# Altium PCB BitFury.PcbDoc (part 3 of 4) (continued)
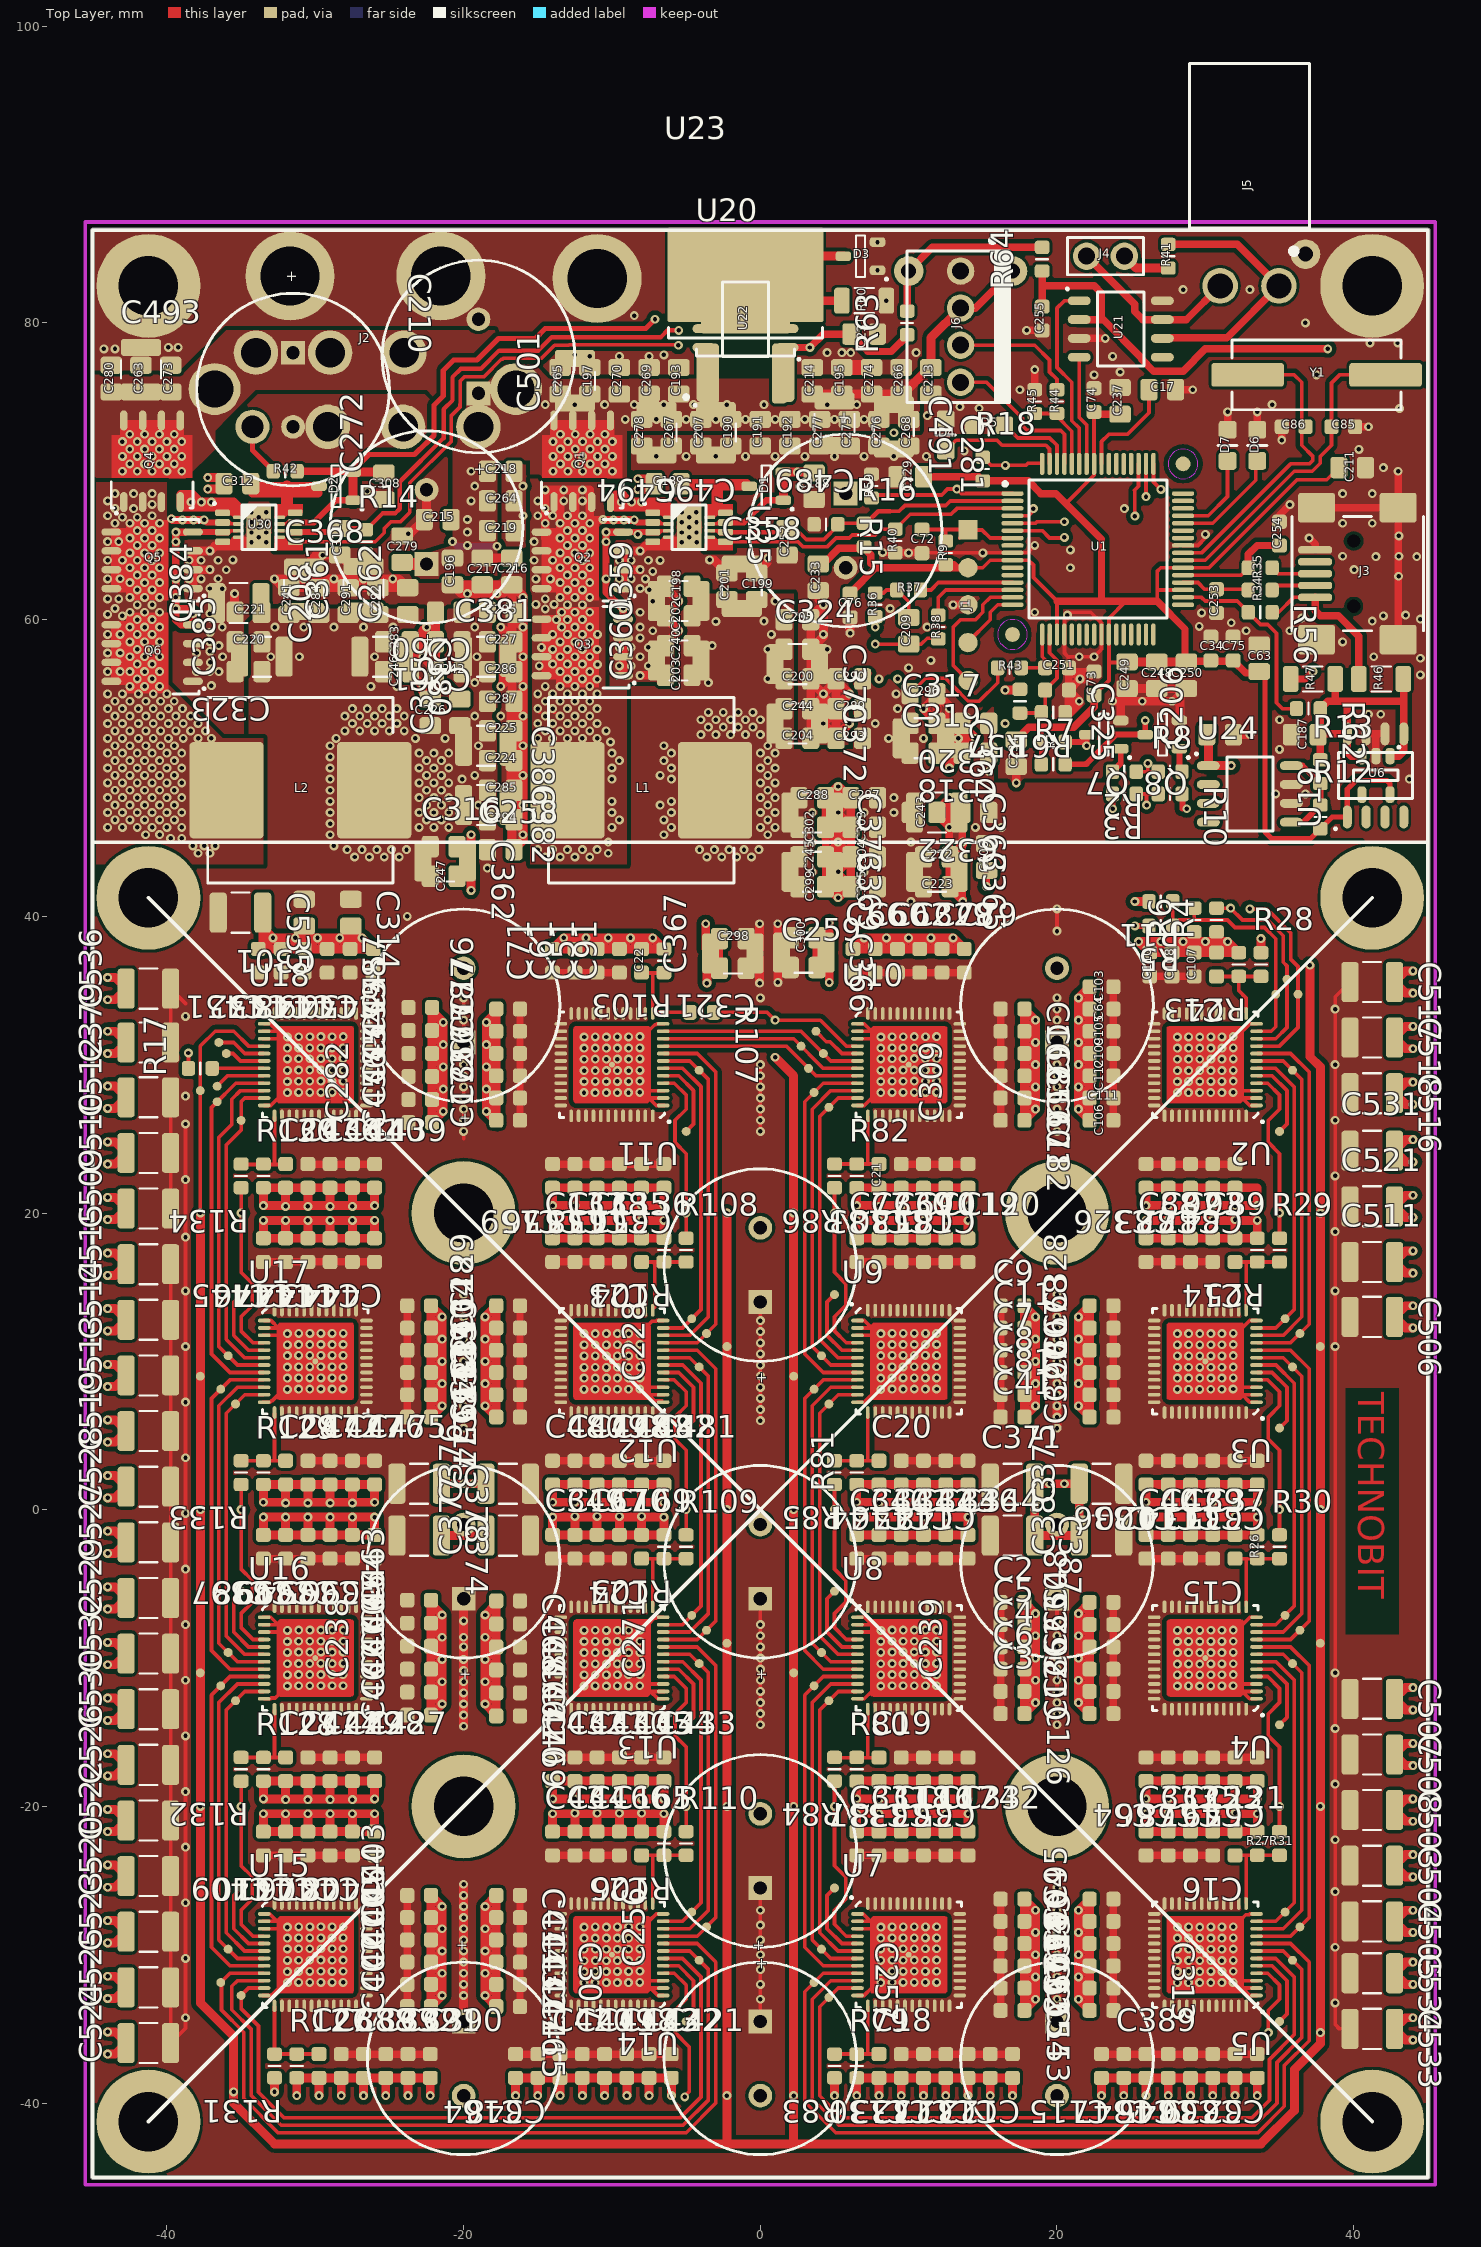
[diagram p0: Top Layer view]
## Nets (pads, with @x,y where several pads share a name; then routed paths per layer and width w, separated by ;. In a path a pad name is that pad's centre, name@x,y a point inside that pad or via, vN(x,y) a via of type N, cw(c..) or ccw(c..) an arc to the next point about the centre after c; other vN are vias at no path point) (continued)
v1(-8,-19.5) ; v1(-9.5,-19.5) C435.1@-9.5,-18.3 ; C435.1@-9.5,-18.3 C434.1@-8,-18.3 ; C169.2@-9.5,-1.7 C24.1@-8,-1.7 ; C169.2@-9.5,-1.7 v1@-9.5,-0.5 ; v1@-9.5,-0.5 v1@-8,-0.5 ; v1(-9.5,0.5) v1(-8,0.5) ; v1(-9.5,0.5) C483.1@-9.5,1.7 ; C483.1@-9.5,1.7 C482.1@-8,1.7 ; C136.2@-9.5,18.3 C23.1@-8,18.3 ; C136.2@-9.5,18.3 v1@-9.5,19.5 ; v1@-9.5,19.5 v1@-8,19.5 ; v1(-9.5,20.5) v1(-8,20.5) ; v1(-9.5,20.5) C158.2@-9.5,21.7 ; C158.2@-9.5,21.7 C163.2@-8,21.7 ; C91.2@-9.5,37.8 C22.1@-8,37.8 ; C91.2@-9.5,37.8 v1(-8.75,38.55) ; C423.1@-9,-38.3 C422.1@-7.5,-38.3 ; v1(-8.75,38.55) C22.1@-8,37.8 ; v1(-8.75,38.55) v1(-7.25,38.55) ; C25.1@-8,-21.7 R106.1@-6.5,-21.7 v1(-6.5,-20.5) v1@-8,-20.5 ; C25.1@-8,-21.7 v1@-8,-20.5 ; v1(-8,-19.5) v1(-6.5,-19.5) C433.1@-6.5,-18.3 C434.1@-8,-18.3 ; v1(-8,-19.5) C434.1@-8,-18.3 ; C24.1@-8,-1.7 R105.1@-6.5,-1.7 v1(-6.5,-0.5) v1@-8,-0.5 ; C24.1@-8,-1.7 v1@-8,-0.5 ; v1(-8,0.5) v1(-6.5,0.5) C481.1@-6.5,1.7 C482.1@-8,1.7 ; v1(-8,0.5) C482.1@-8,1.7 ; C23.1@-8,18.3 R104.1@-6.5,18.3 v1(-6.5,19.5) v1@-8,19.5 ; C23.1@-8,18.3 v1@-8,19.5 ; v1(-8,20.5) v1(-6.5,20.5) C351.2@-6.5,21.7 C163.2@-8,21.7 ; v1(-8,20.5) C163.2@-8,21.7 ; C22.1@-8,37.8 R103.1@-6.5,37.8 v1(-7.25,38.55) ; C22.1@-8,37.8 v1(-7.25,38.55) ; C204.2@3.4,52 C372.2@4.25,52 ; C204.2@3.4,52 C372.2@4.25,52.85 ; C204.2@3.4,52 C244.2@3.4,53.85 ; C244.2@3.4,53.85 v1(4.25,53) ; C244.2@3.4,53.85 C244.2@3.4,54 ; C244.2@3.4,54 C200.2@3.4,55.85 ; C244.2@3.4,54 C372.2@4.25,54 ; C244.2@3.4,54 v1@4.25,54.85 ; C200.2@3.4,55.85 C200.2@3.4,56 ; C200.2@3.4,55.85 v1(4.25,55) ; C200.2@3.4,56 C324.2@3.4,58 ; C200.2@3.4,56 C290.2@5.1,56 C290.2@5.1,55.9 ; C324.2@3.4,58 C205.2@3.4,60 3.4,60.15 v1(4.25,61) v1(4.25,59) 4.25,58.85 C324.2@3.4,58 ; C372.2@4.25,52 C372.2@4.25,52.85 ; C372.2@4.25,52 C293.2@5.1,52 C293.2@5.1,52.1 ; C372.2@4.25,52.85 v1(4.25,53) ; v1(4.25,53) C293.2@5.1,52.15 ; v1(4.25,53) C289.2@4.75,53.5 ; v1(4.25,53) C372.2@4.25,53.5 ; C372.2@4.25,53.5 C289.2@4.75,53.5 ; C372.2@4.25,53.5 C372.2@4.25,54 ; C372.2@4.25,54 C289.2@5.1,54 ; C372.2@4.25,54 v1@4.25,54.85 ; v1@4.25,54.85 v1(4.25,55) ; v1@4.25,54.85 C289.2@5.1,54 ; v1(4.25,55) C290.2@5.1,55.85 ; C289.2@4.75,53.5 C289.2@5.1,53.5 ; C289.2@4.75,53.5 C289.2@5.1,53.85 ; C293.2@5.1,52.1 v1(6,53) 5.5,53.5 C289.2@5.1,53.5 ; C293.2@5.1,52.1 C293.2@5.1,52.15 ; C293.2@5.1,52.15 C289.2@5.1,53.5 ; C289.2@5.1,53.5 C289.2@5.1,53.85 ; C289.2@5.1,53.85 C289.2@5.1,54 ; C289.2@5.1,54 C289.2@5.1,54.1 ; C289.2@5.1,54.1 v1(6,55) C290.2@5.1,55.9 ; C289.2@5.1,54.1 C290.2@5.1,55.85 ; C290.2@5.1,55.85 C290.2@5.1,55.9 ; v1(5.25,41.25) 6,42 C305.2@6.1,42 ; v1(5.25,41.25) C369.2@5.25,42.85 ; C369.2@5.25,42.85 C305.2@6.1,42 ; C369.2@5.25,42.85 v1(5.25,43) ; v1(7,38.55) C66.2@6.25,37.8 C60.2@7.75,37.8 ; v1(7,38.55) C60.2@7.75,37.8 ; v1(7,38.55) v1(8.5,38.55) ; C60.2@7.75,37.8 C62.2@9.25,37.8 ; C60.2@7.75,37.8 v1(8.5,38.55) ; C18.1@8,-38.3 C130.2@9.5,-38.3 ; C118.2@8,-21.7 C116.2@9.5,-21.7 ; C118.2@8,-21.7 C331.2@6.5,-21.7 v1(6.5,-20.5) v1(8,-20.5) ; C118.2@8,-21.7 v1(8,-20.5) ; v1(8,-20.5) v1(9.5,-20.5) ; v1@8,-19.5 v1@9.5,-19.5 ; v1@8,-19.5 v1(6.5,-19.5) R80.1@6.5,-18.3 C19.1@8,-18.3 ; v1@8,-19.5 C19.1@8,-18.3 ; C19.1@8,-18.3 C337.2@9.5,-18.3 ; C20.1@8,1.7 R81.1@6.5,1.7 v1(6.5,0.5) v1(14,0.5) C148.2@14,1.7 C144.2@9.5,1.7 ; C20.1@8,1.7 C144.2@9.5,1.7 ; C330.2@8,18.3 C77.2@6.5,18.3 v1(6.5,19.5) v1(11,19.5) ; C330.2@8,18.3 C70.2@11,18.3 ; C21.1@8,21.7 R82.1@6.5,21.7 v1(6.5,20.5) v1(14,20.5) C181.2@14,21.7 C183.2@9.5,21.7 ; C21.1@8,21.7 C183.2@9.5,21.7 ; v1(8.5,38.55) C62.2@9.25,37.8 ; v1(8.5,38.55) v1(10,38.55) ; C62.2@9.25,37.8 C329.2@10.75,37.8 ; C62.2@9.25,37.8 v1(10,38.55) ; C130.2@9.5,-38.3 C133.2@11,-38.3 ; C116.2@9.5,-21.7 C117.2@11,-21.7 ; C116.2@9.5,-21.7 v1(9.5,-20.5) ; v1(9.5,-20.5) v1(11,-20.5) ; v1@9.5,-19.5 v1@11,-19.5 ; v1@9.5,-19.5 C337.2@9.5,-18.3 ; C337.2@9.5,-18.3 C338.2@11,-18.3 ; v1(10,38.55) C329.2@10.75,37.8 ; v1(10,38.55) v1(11.5,38.55) ; C329.2@10.75,37.8 C78.2@12.25,37.8 ; C329.2@10.75,37.8 v1(11.5,38.55) ; C133.2@11,-38.3 C132.2@12.5,-38.3 ; C117.2@11,-21.7 C124.2@12.5,-21.7 ; C117.2@11,-21.7 v1(11,-20.5) ; v1(11,-20.5) v1(12.5,-20.5) ; v1@11,-19.5 v1@12.5,-19.5 ; v1@11,-19.5 C338.2@11,-18.3 ; C338.2@11,-18.3 C33.2@12.5,-18.3 ; C343.2@11,-1.7 C340.2@6.5,-1.7 v1(6.5,-0.5) v1(11,-0.5) ; C343.2@11,-1.7 C346.2@12.5,-1.7 ; C343.2@11,-1.7 v1(11,-0.5) ; v1(11,-0.5) v1(12.5,-0.5) ; C70.2@11,18.3 C119.2@12.5,18.3 ; C70.2@11,18.3 v1(11,19.5) ; v1(11,19.5) v1(12.5,19.5) ; v1(11.5,38.55) C78.2@12.25,37.8 ; v1(11.5,38.55) v1(13,38.55) ; C317.2@11.9,53.1 C296.2@11.9,54.9 ; C317.2@11.9,53.1 v1(11,54) C296.2@11.9,54.9 ; C296.2@11.9,54.9 C296.2@11.9,55 12.75,54.15 v1(12.75,54) 12.75,52.25 C364.2@12.5,52 ; C78.2@12.25,37.8 C79.2@13.75,37.8 v1(13,38.55) ; C78.2@12.25,37.8 v1(13,38.55) ; C132.2@12.5,-38.3 C127.2@14,-38.3 ; C124.2@12.5,-21.7 C332.2@14,-21.7 v1(14,-20.5) v1(12.5,-20.5) ; C124.2@12.5,-21.7 v1(12.5,-20.5) ; v1@12.5,-19.5 14,-19.5 C35.2@14,-18.3 C33.2@12.5,-18.3 ; v1@12.5,-19.5 C33.2@12.5,-18.3 ; C346.2@12.5,-1.7 C344.2@14,-1.7 v1(14,-0.5) v1(12.5,-0.5) ; C346.2@12.5,-1.7 v1(12.5,-0.5) ; C119.2@12.5,18.3 C120.2@14,18.3 v1(14,19.5) v1(12.5,19.5) ; C119.2@12.5,18.3 v1(12.5,19.5) ; C364.2@12.5,52 C364.2@12.75,51.75 ; C364.2@12.5,52 v1(13.35,52) ; C364.2@12.75,51.75 13.5,51 C318.2@13.6,51 ; v1(13.35,52) 13.35,51.25 C318.2@13.6,51 ; v1(13.35,52) v1(14.5,52) ; v1(13.35,52) 13.6,52.25 C320.2@13.6,52.9 ; C318.2@13.6,51 13.6,51.1 v1(14.5,52) ; C320.2@13.6,52.9 v1(14.5,52) ; C127.2@14,-38.3 C131.2@15.5,-38.3 ; C154.2@17.8,-32.25 C155.2@17.8,-30.75 ; C154.2@17.8,-32.25 C153.2@17.8,-33.75 v1(18.55,-33) ; C154.2@17.8,-32.25 v1(18.55,-33) ; C154.2@17.8,-32.25 v1(18.55,-31.5) ; C155.2@17.8,-30.75 C152.2@17.8,-29.25 ; C155.2@17.8,-30.75 v1(18.55,-31.5) ; C155.2@17.8,-30.75 v1(18.55,-30) ; C152.2@17.8,-29.25 C149.2@17.8,-27.75 ; C152.2@17.8,-29.25 v1(18.55,-30) ; C152.2@17.8,-29.25 v1(18.55,-28.5) ; C149.2@17.8,-27.75 C150.2@17.8,-26.25 v1(18.55,-27) ; C149.2@17.8,-27.75 v1(18.55,-28.5) ; C149.2@17.8,-27.75 v1(18.55,-27) ; C3.2@17.8,-12.25 C6.2@17.8,-10.75 ; C3.2@17.8,-12.25 C126.2@17.8,-13.75 v1(18.55,-13) ; C3.2@17.8,-12.25 v1(18.55,-11.5) ; C3.2@17.8,-12.25 v1(18.55,-13) ; C6.2@17.8,-10.75 C4.2@17.8,-9.25 ; C6.2@17.8,-10.75 v1(18.55,-10) ; C6.2@17.8,-10.75 v1(18.55,-11.5) ; C4.2@17.8,-9.25 C5.2@17.8,-7.75 ; C4.2@17.8,-9.25 v1(18.55,-8.5) ; C4.2@17.8,-9.25 v1(18.55,-10) ; C5.2@17.8,-7.75 C2.2@17.8,-6.25 v1(18.55,-7) ; C5.2@17.8,-7.75 v1(18.55,-7) ; C5.2@17.8,-7.75 v1(18.55,-8.5) ; C81.2@17.8,7.75 C8.2@17.8,9.25 ; C81.2@17.8,7.75 C41.2@17.8,6.25 v1(18.55,7) ; C81.2@17.8,7.75 v1(18.55,8.5) ; C81.2@17.8,7.75 v1(18.55,7) ; C8.2@17.8,9.25 C7.2@17.8,10.75 ; C8.2@17.8,9.25 v1(18.55,10) ; C8.2@17.8,9.25 v1(18.55,8.5) ; C7.2@17.8,10.75 C11.2@17.8,12.25 ; C7.2@17.8,10.75 v1(18.55,11.5) ; C7.2@17.8,10.75 v1(18.55,10) ; C11.2@17.8,12.25 C9.2@17.8,13.75 v1(18.55,13) ; C11.2@17.8,12.25 v1(18.55,13) ; C11.2@17.8,12.25 v1(18.55,11.5) ; C171.2@17.8,27.75 C160.2@17.8,29.25 ; C171.2@17.8,27.75 v1(18.55,27) ; C171.2@17.8,27.75 v1(18.55,28.5) ; C171.2@17.8,27.75 C182.2@17.8,26.25 v1(18.55,27) ; C160.2@17.8,29.25 C352.2@17.8,30.75 ; C160.2@17.8,29.25 v1(18.55,28.5) ; C160.2@17.8,29.25 v1(18.55,30) ; C352.2@17.8,30.75 C161.2@17.8,32.25 ; C352.2@17.8,30.75 v1(18.55,30) ; C352.2@17.8,30.75 v1(18.55,31.5) ; C161.2@17.8,32.25 C162.2@17.8,33.75 v1(18.55,33) ; C161.2@17.8,32.25 v1(18.55,31.5) ; C161.2@17.8,32.25 v1(18.55,33) ; v1(18.55,-33) v1(18.55,-31.5) ; v1(18.55,-31.5) v1(18.55,-30) ; v1(18.55,-30) v1(18.55,-28.5) ; v1(18.55,-28.5) v1(18.55,-27) ; v1(18.55,-13) v1(18.55,-11.5) ; v1(18.55,-11.5) v1(18.55,-10) ; v1(18.55,-10) v1(18.55,-8.5) ; v1(18.55,-8.5) v1(18.55,-7) ; v1(18.55,7) v1(18.55,8.5) ; v1(18.55,8.5) v1(18.55,10) ; v1(18.55,10) v1(18.55,11.5) ; v1(18.55,11.5) v1(18.55,13) ; v1(18.55,27) v1(18.55,28.5) ; v1(18.55,28.5) v1(18.55,30) ; v1(18.55,30) v1(18.55,31.5) ; v1(18.55,31.5) v1(18.55,33) ; v1(21.45,-33) v1(21.45,-31.5) ; v1(21.45,-33) C334.2@22.2,-32.25 ; v1(21.45,-33) C97.2@22.2,-33.75 C334.2@22.2,-32.25 ; v1(21.45,-31.5) v1(21.45,-30) ; v1(21.45,-31.5) C98.2@22.2,-30.75 ; v1(21.45,-31.5) C334.2@22.2,-32.25 ; v1(21.45,-30) v1(21.45,-28.5) ; v1(21.45,-30) C96.2@22.2,-29.25 ; v1(21.45,-30) C98.2@22.2,-30.75 ; v1(21.45,-28.5) v1(21.45,-27) ; v1(21.45,-28.5) C94.2@22.2,-27.75 ; v1(21.45,-28.5) C96.2@22.2,-29.25 ; v1(21.45,-27) C94.2@22.2,-27.75 ; v1(21.45,-27) C95.2@22.2,-26.25 C94.2@22.2,-27.75 ; v1(21.45,-13) C12.2@22.2,-13.75 C36.2@22.2,-12.25 ; v1(21.45,-13) C36.2@22.2,-12.25 ; v1(21.45,-13) v1(21.45,-11.5) ; v1(21.45,-11.5) C36.2@22.2,-12.25 ; v1(21.45,-11.5) C52.2@22.2,-10.75 ; v1(21.45,-11.5) v1(21.45,-10) ; v1(21.45,-10) C52.2@22.2,-10.75 ; v1(21.45,-10) C53.2@22.2,-9.25 ; v1(21.45,-10) v1(21.45,-8.5) ; v1(21.45,-8.5) C53.2@22.2,-9.25 ; v1(21.45,-8.5) C50.2@22.2,-7.75 ; v1(21.45,-8.5) v1(21.45,-7) ; v1(21.45,-7) C48.2@22.2,-6.25 C50.2@22.2,-7.75 ; v1(21.45,-7) C50.2@22.2,-7.75 ; v1(21.45,7) C327.2@22.2,6.25 C90.2@22.2,7.75 ; v1(21.45,7) C90.2@22.2,7.75 ; v1(21.45,7) v1(21.45,8.5) ; v1(21.45,8.5) C90.2@22.2,7.75 ; v1(21.45,8.5) C80.2@22.2,9.25 ; v1(21.45,8.5) v1(21.45,10) ; v1(21.45,10) C80.2@22.2,9.25 ; v1(21.45,10) C67.2@22.2,10.75 ; v1(21.45,10) v1(21.45,11.5) ; v1(21.45,11.5) C67.2@22.2,10.75 ; v1(21.45,11.5) C68.2@22.2,12.25 ; v1(21.45,11.5) v1(21.45,13) ; v1(21.45,13) C328.2@22.2,13.75 C68.2@22.2,12.25 ; v1(21.45,13) C68.2@22.2,12.25 ; v1(21.45,27) v1(21.45,28.5) ; v1(21.45,27) C111.2@22.2,27.75 ; v1(21.45,27) C106.2@22.2,26.25 C111.2@22.2,27.75 ; v1(21.45,28.5) v1(21.45,30) ; v1(21.45,28.5) C112.2@22.2,29.25 ; v1(21.45,28.5) C111.2@22.2,27.75 ; v1(21.45,30) v1(21.45,31.5) ; v1(21.45,30) C109.2@22.2,30.75 ; v1(21.45,30) C112.2@22.2,29.25 ; v1(21.45,31.5) v1(21.45,33) ; v1(21.45,31.5) C105.2@22.2,32.25 ; v1(21.45,31.5) C109.2@22.2,30.75 ; v1(21.45,33) v1(21.45,34.5) ; v1(21.45,33) C64.2@22.2,33.75 ; v1(21.45,33) C105.2@22.2,32.25 ; v1(21.45,34.5) C64.2@22.2,33.75 ; v1(21.45,34.5) C103.2@22.2,35.25 C64.2@22.2,33.75 ; C334.2@22.2,-32.25 C98.2@22.2,-30.75 ; C98.2@22.2,-30.75 C96.2@22.2,-29.25 ; C96.2@22.2,-29.25 C94.2@22.2,-27.75 ; C36.2@22.2,-12.25 C52.2@22.2,-10.75 ; C52.2@22.2,-10.75 C53.2@22.2,-9.25 ; C53.2@22.2,-9.25 C50.2@22.2,-7.75 ; C90.2@22.2,7.75 C80.2@22.2,9.25 ; C80.2@22.2,9.25 C67.2@22.2,10.75 ; C67.2@22.2,10.75 C68.2@22.2,12.25 ; C111.2@22.2,27.75 C112.2@22.2,29.25 ; C112.2@22.2,29.25 C109.2@22.2,30.75 ; C109.2@22.2,30.75 C105.2@22.2,32.25 ; C105.2@22.2,32.25 C64.2@22.2,33.75 ; 24.238,54.5 24.725,54.5 ; C389.1@24.5,-38.3 C347.2@26,-38.3 ; 24.725,54.5 v1(25.75,54.5) 26.75,54.5 ; 24.725,54.5 C249.2@24.725,55.35 C248.2@26.725,55.35 ; C347.2@26,-38.3 C46.2@27.5,-38.3 ; C110.2@26.25,37.55 C108.2@27.75,37.55 ; C110.2@26.25,37.55 v1(25.5,38.3) v1(27,38.3) ; C110.2@26.25,37.55 v1(27,38.3) ; C248.2@26.725,55.35 26.725,54.525 26.75,54.5 ; C248.2@26.725,55.35 C250.2@28.725,55.35 C250.2@28.3,54.925 ; 26.75,54.5 v1(27.75,54.5) 27.875,54.5 C250.2@28.3,54.925 ; v1(27,38.3) C108.2@27.75,37.55 ; v1(27,38.3) v1(28.5,38.3) ; C46.2@27.5,-38.3 C345.2@29,-38.3 ; v1@27.5,-20.5 v1@29,-20.5 ; v1@27.5,-20.5 v1(26,-20.5) C333.2@26,-21.7 R27.1@33.5,-21.7 v1(33.5,-20.5) v1@32,-20.5 ; v1(27.5,-19.5) v1(29,-19.5) ; v1(27.5,-19.5) v1(26,-19.5) C54.2@26,-18.3 C56.2@27.5,-18.3 ; v1(27.5,-19.5) C56.2@27.5,-18.3 ; C56.2@27.5,-18.3 C58.2@29,-18.3 ; C42.2@27.5,-1.7 C40.2@26,-1.7 v1(26,-0.5) v1@27.5,-0.5 ; C42.2@27.5,-1.7 C39.2@29,-1.7 ; C42.2@27.5,-1.7 v1@27.5,-0.5 ; v1@27.5,-0.5 v1@29,-0.5 ; v1(27.5,0.5) v1(26,0.5) C336.2@26,1.7 C100.2@27.5,1.7 ; v1(27.5,0.5) v1(29,0.5) ; v1(27.5,0.5) C100.2@27.5,1.7 ; C100.2@27.5,1.7 C102.2@29,1.7 ; C92.2@27.5,18.3 C88.2@26,18.3 v1(26,19.5) v1@30.5,19.5 ; C92.2@27.5,18.3 C93.2@29,18.3 ; C83.2@27.5,21.7 C326.2@26,21.7 v1(26,20.5) v1(33.5,20.5) 33.5,21.7 C82.2@29,21.7 ; C83.2@27.5,21.7 C82.2@29,21.7 ; C108.2@27.75,37.55 C107.2@29.25,37.55 ; C108.2@27.75,37.55 v1(28.5,38.3) ; v1(28.5,38.3) C107.2@29.25,37.55 ; v1(28.5,38.3) v1(30,38.3) ; C345.2@29,-38.3 C30.2@30.5,-38.3 ; v1@29,-20.5 v1@30.5,-20.5 ; v1(29,-19.5) v1(30.5,-19.5) ; v1(29,-19.5) C58.2@29,-18.3 ; C58.2@29,-18.3 C57.2@30.5,-18.3 ; C39.2@29,-1.7 C37.2@30.5,-1.7 ; C39.2@29,-1.7 v1@29,-0.5 ; v1@29,-0.5 v1@30.5,-0.5 ; v1(29,0.5) v1(30.5,0.5) ; v1(29,0.5) C102.2@29,1.7 ; C102.2@29,1.7 C114.2@30.5,1.7 ; C93.2@29,18.3 C89.2@30.5,18.3 ; C107.2@29.25,37.55 C13.1@30.75,37.55 ; C107.2@29.25,37.55 v1(30,38.3) ; v1(30,38.3) 30.75,38.3 ; v1(30,38.3) C13.1@30.75,37.55 ; C30.2@30.5,-38.3 C339.2@32,-38.3 ; v1@30.5,-20.5 v1@32,-20.5 ; v1(30.5,-19.5) v1(32,-19.5) ; v1(30.5,-19.5) C57.2@30.5,-18.3 ; C57.2@30.5,-18.3 C49.2@32,-18.3 ; C37.2@30.5,-1.7 C15.1@32,-1.7 ; C37.2@30.5,-1.7 v1@30.5,-0.5 ; v1@30.5,-0.5 v1@32,-0.5 ; v1(30.5,0.5) v1(32,0.5) ; v1(30.5,0.5) C114.2@30.5,1.7 ; C114.2@30.5,1.7 C113.2@32,1.7 ; C89.2@30.5,18.3 C14.1@32,18.3 ; C89.2@30.5,18.3 v1@30.5,19.5 ; v1@30.5,19.5 v1@32,19.5 ; C13.1@30.75,37.55 R24.1@32.25,37.55 v1(31.5,38.3) ; C13.1@30.75,37.55 v1(31.5,38.3) ; 30.75,38.3 v1(31.5,38.3) ; v1(32,-19.5) v1(33.5,-19.5) C55.2@33.5,-18.3 C49.2@32,-18.3 ; v1(32,-19.5) C49.2@32,-18.3 ; C15.1@32,-1.7 R26.1@33.5,-1.7 v1(33.5,-0.5) v1@32,-0.5 ; C15.1@32,-1.7 v1@32,-0.5 ; v1(32,0.5) v1(33.5,0.5) C335.2@33.5,1.7 C113.2@32,1.7 ; v1(32,0.5) C113.2@32,1.7 ; C14.1@32,18.3 R25.1@33.5,18.3 v1(33.5,19.5) v1@32,19.5 ; C14.1@32,18.3 v1@32,19.5 ; C387.2@18.5,-1.75 C383.2@21.5,-1.75 C375.2@21.5,1.75 C371.2@18.5,1.75 C387.2@18.5,-1.75 ; R61.1@20.8,53.8 20.85,53.75 21.5,54.4 v1(21.5,54.5) 20.8,55.2 R61.1@20.8,53.8
  Top Layer w1: C382.2@-16.6,47 C285.2@-16.6,48.5 C224.2@-16.6,50.5 C225.2@-16.6,52.5 C287.2@-16.6,54.1 ; C195.2@5.5,77 C274.2@7.5,77
  Mid-Top Layer w0.6: -9.25,57.495 -8.105,57.495 v1@-8.105,63.355
  Mid-Bottom Layer w0.6: v1(-33.5,-20.5) v1(-33.5,-19.5) ; v1(-33.5,-0.5) v1(-33.5,0.5) ; v1(-33.5,19.5) v1(-33.5,20.5) ; v1(-32,-20.5) v1(-32,-19.55) ; v1(-32,-0.5) v1(-32,0.45) ; v1(-32,19.5) v1(-32,20.45) ; v1(-30.5,-20.5) v1(-30.5,-19.55) ; v1(-30.5,-0.5) v1(-30.5,0.45) ; v1(-30.5,19.5) v1(-30.5,20.45) ; v1(-29,-20.5) v1(-29,-19.55) ; v1(-29,-0.5) v1(-29,0.45) ; v1(-29,19.5) v1(-29,20.45) ; v1(-27.5,-20.5) v1(-27.5,-19.55) ; v1(-27.5,-0.5) v1(-27.5,0.45) ; v1(-27.5,19.5) v1(-27.5,20.45) ; v1(-26,-20.5) v1(-26,-19.5) ; v1(-26,-0.5) v1(-26,0.5) ; v1(-26,19.5) v1(-26,20.5) ; v1(-14,-20.5) v1(-14,-19.5) ; v1(-14,-0.5) v1(-14,0.5) ; v1(-14,19.5) v1(-14,20.5) ; v1@-12.5,-20.5 v1@-12.5,-19.55 ; v1@-12.5,-0.5 v1@-12.5,0.45 ; v1@-12.5,19.5 v1@-12.5,20.45 ; v1@-11,-20.5 v1(-11,-20.45) v1@-11,-19.55 ; v1@-11,-0.5 v1@-11,0.45 ; v1@-11,19.5 v1@-11,20.45 ; v1@-9.5,-20.5 v1(-9.5,-20.45) v1@-9.5,-19.55 ; v1@-9.5,-0.5 v1@-9.5,0.45 ; v1@-9.5,19.5 v1@-9.5,20.45 ; v1@-8,-20.5 v1@-8,-19.55 ; v1@-8,-0.5 v1@-8,0.45 ; v1@-8,19.5 v1@-8,20.45 ; v1(-6.5,-20.5) v1(-6.5,-19.5) ; v1(-6.5,-0.5) v1(-6.5,0.5) ; v1(-6.5,19.5) v1(-6.5,20.5) ; v1(6.5,-20.5) v1(6.5,-19.5) ; v1(6.5,-0.5) v1(6.5,0.5) ; v1(6.5,19.5) v1(6.5,20.5) ; v1(8,-20.5) v1(8,-19.55) ; v1(8,-0.5) v1(8,0.45) ; v1(8,19.5) v1(8,20.45) ; v1(9.5,-20.5) v1(9.5,-19.55) ; v1(9.5,-0.5) v1(9.5,0.45) ; v1(9.5,19.5) v1(9.5,20.45) ; v1(11,-20.5) v1(11,-19.55) ; v1(11,-0.5) v1(11,0.45) ; v1(11,19.5) v1(11,20.45) ; v1(12.5,-20.5) v1(12.5,-19.55) ; v1(12.5,-0.5) v1(12.5,0.45) ; v1(12.5,19.5) v1(12.5,20.45) ; v1(14,-20.5) v1@14,-19.5 ; v1(14,-0.5) v1(14,0.5) ; v1(14,19.5) v1(14,20.5) ; v1(26,-20.5) v1(26,-19.5) ; v1(26,-0.5) v1(26,0.5) ; v1(26,19.5) v1(26,20.5) ; v1@27.5,-20.5 v1@27.5,-19.55 ; v1@27.5,-0.5 v1@27.5,0.45 ; v1@27.5,19.5 v1@27.5,20.45 ; v1@29,-20.5 v1(29,-20.45) v1@29,-19.55 ; v1@29,-0.5 v1@29,0.45 ; v1@29,19.5 v1@29,20.45 ; v1@30.5,-20.5 v1(30.5,-20.45) v1@30.5,-19.55 ; v1@30.5,-0.5 v1@30.5,0.45 ; v1@30.5,19.5 v1@30.5,20.45 ; v1@32,-20.5 v1@32,-19.55 ; v1@32,-0.5 v1@32,0.45 ; v1@32,19.5 v1@32,20.45 ; v1(33.5,-20.5) v1(33.5,-19.5) ; v1(33.5,-0.5) v1(33.5,0.5) ; v1(33.5,19.5) v1(33.5,20.5)